# Altium PCB Nixie_MCU.PcbDoc (part 1 of 2)
Units mm, origin at the board's own origin, x right, y up, seen from the top; angles counter-clockwise.
Board outline 188 x 42 mm, 4 copper layers (Signal Layer 1, Layer 1, Layer 2, Bottom Layer), stack 1.466 mm thick; 180 components, 100 nets, 460 pads, 258 vias.
Unrouted connection lines stored in the file: 2.
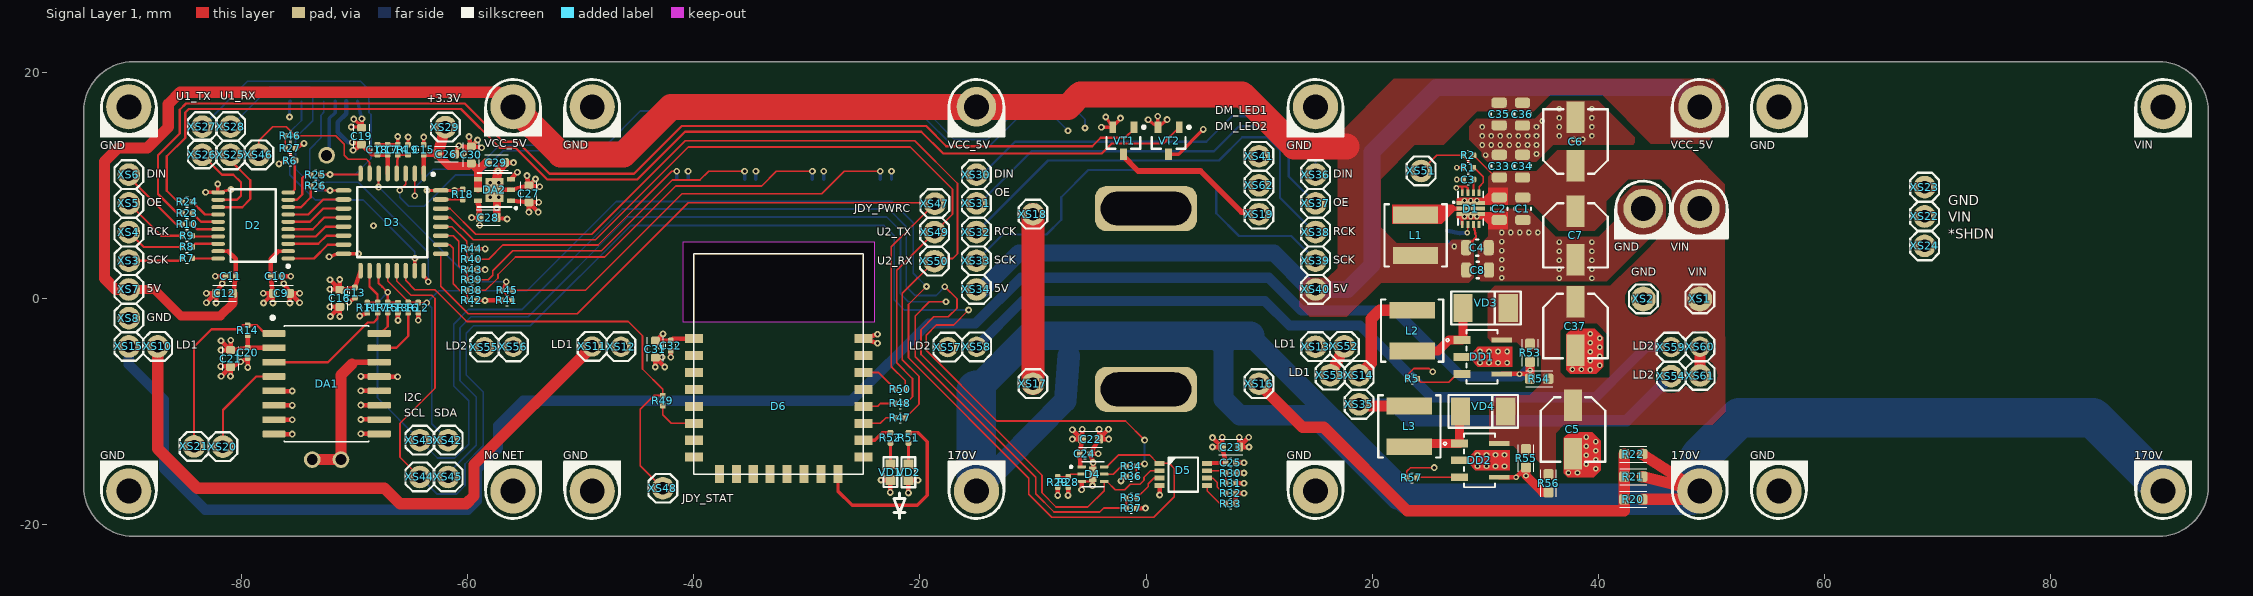
[diagram p0: Signal Layer 1 view]
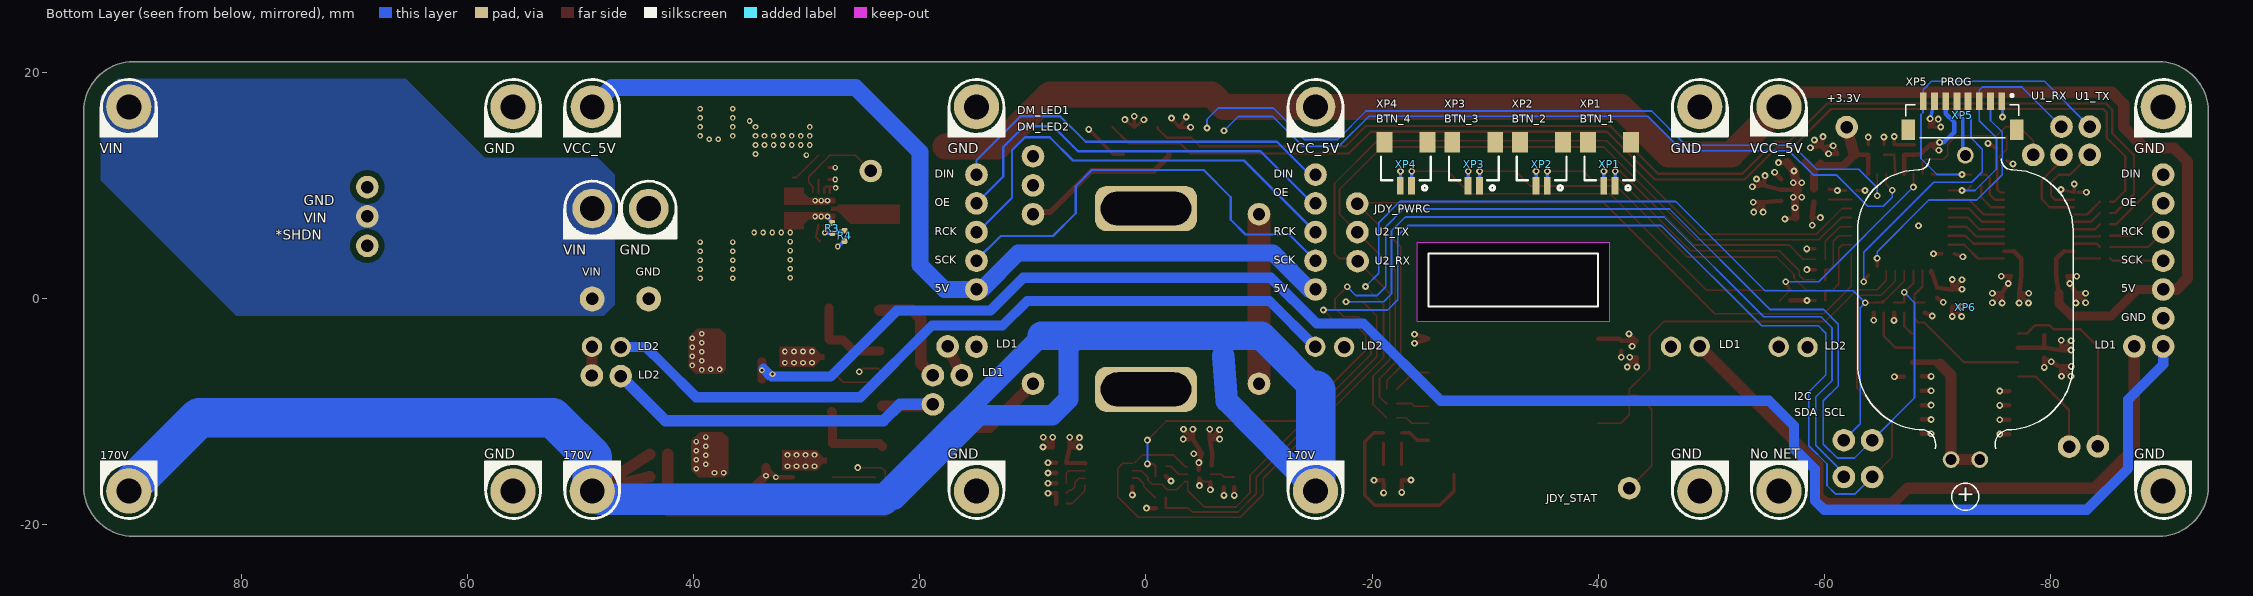
[diagram p1: Bottom Layer view, seen from below]
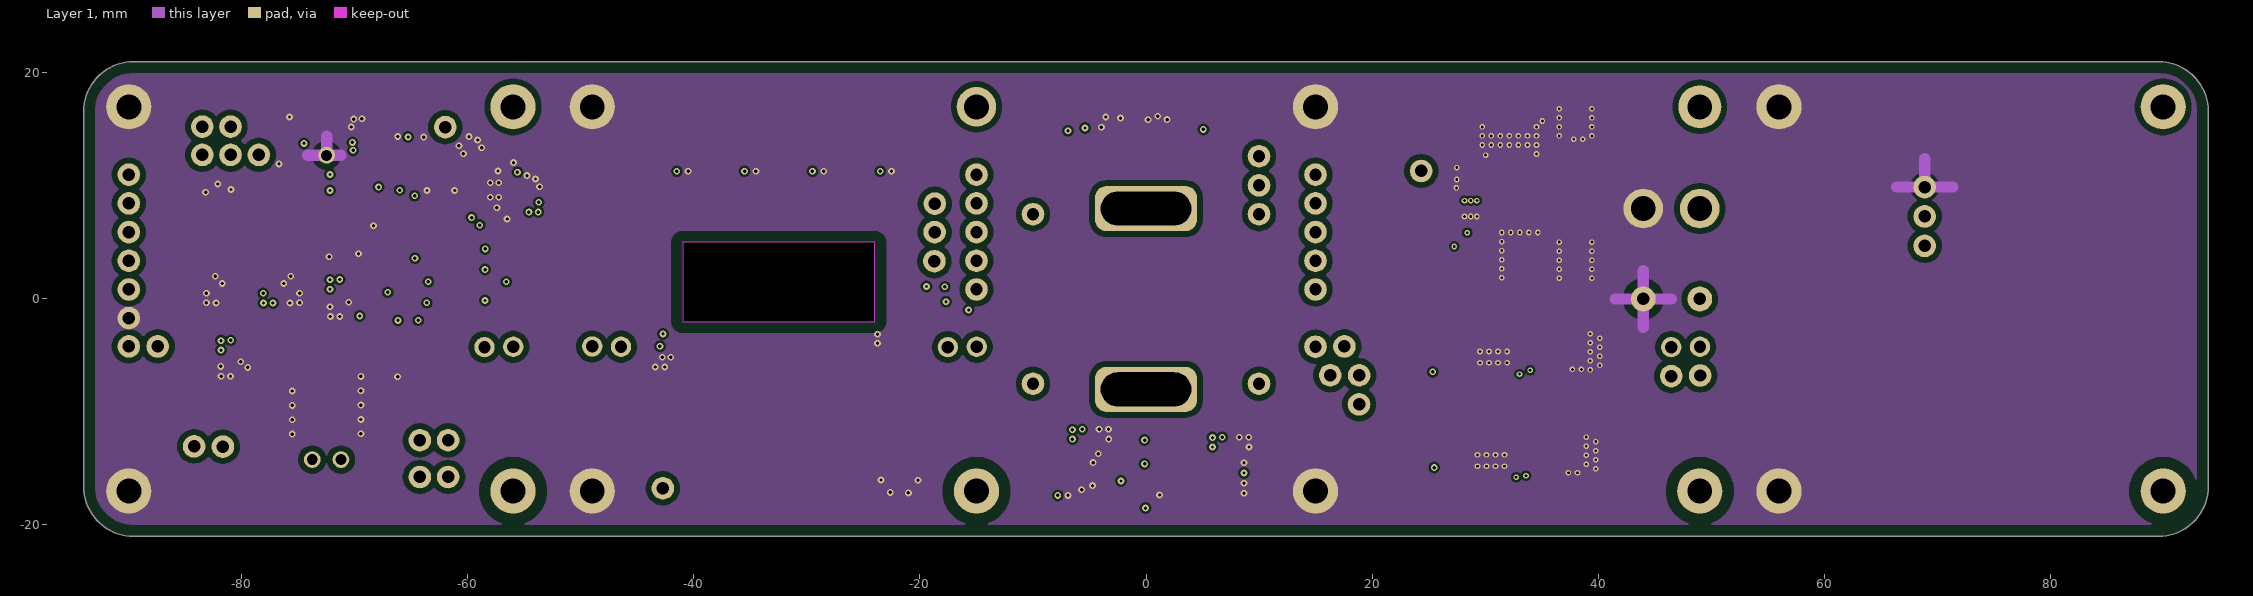
[diagram p2: Layer 1]
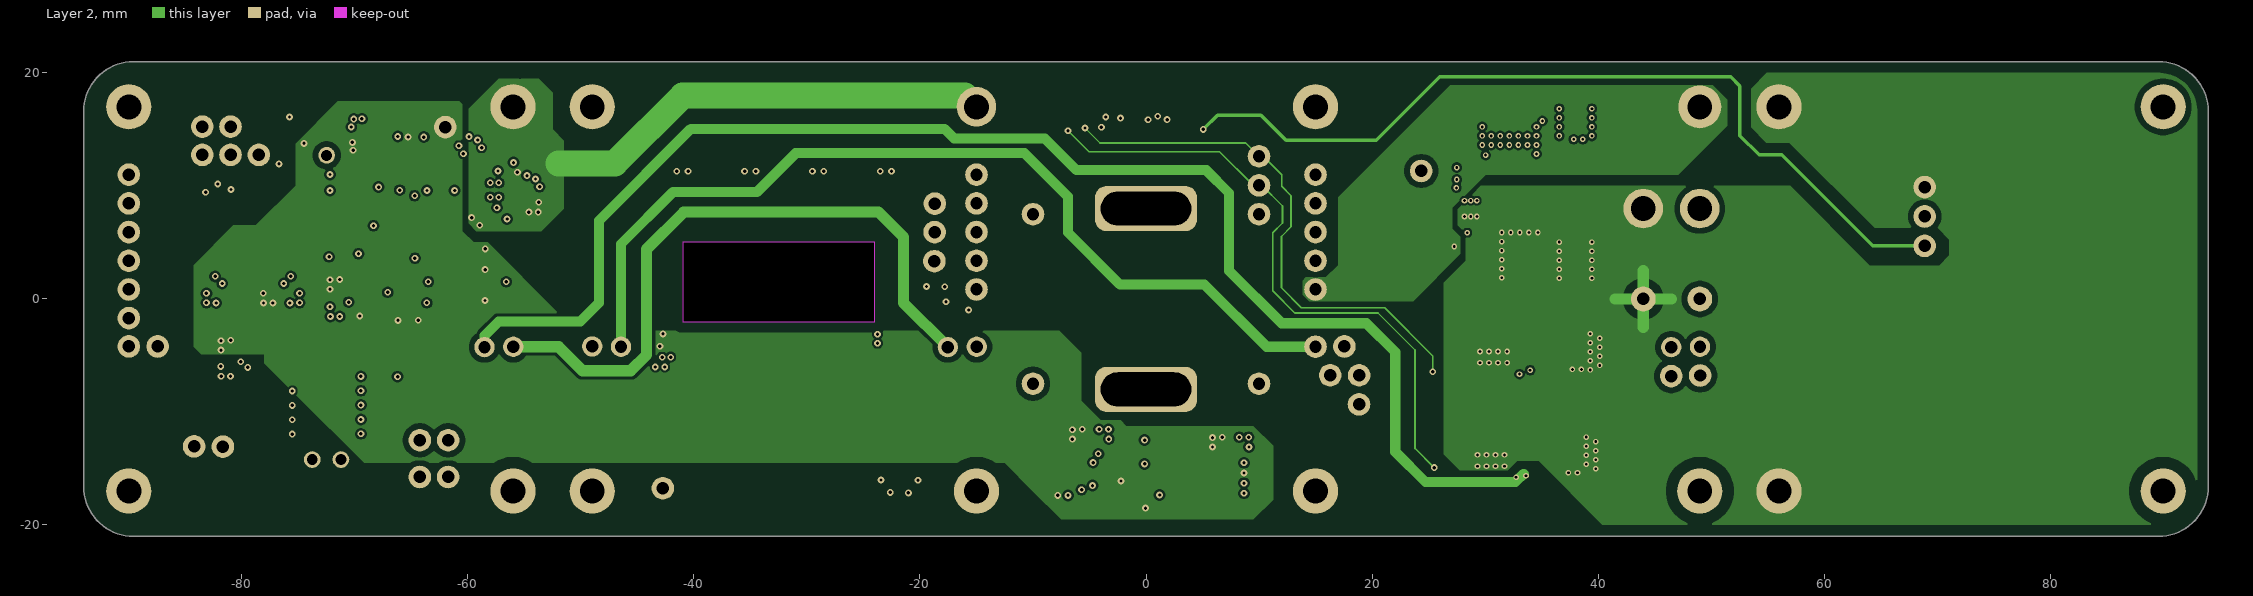
[diagram p3: Layer 2]
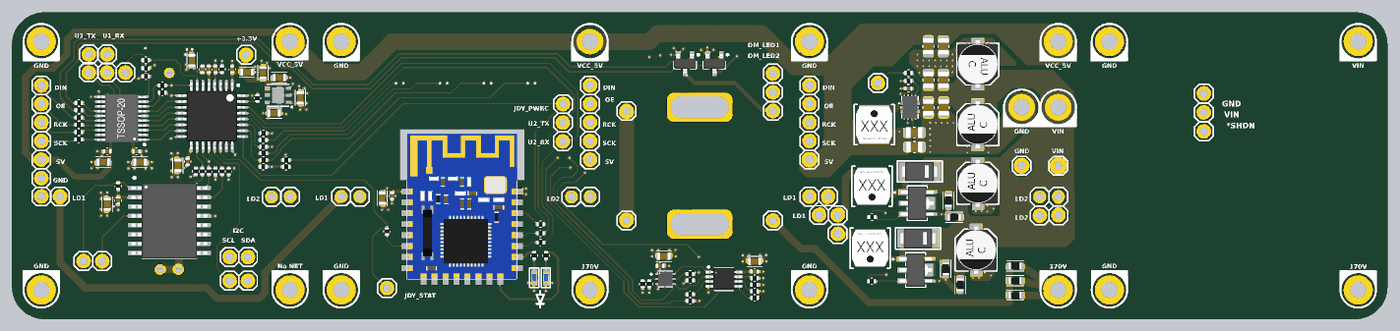
[diagram p5: 3D render of the assembled board from above, using the file's embedded part models]
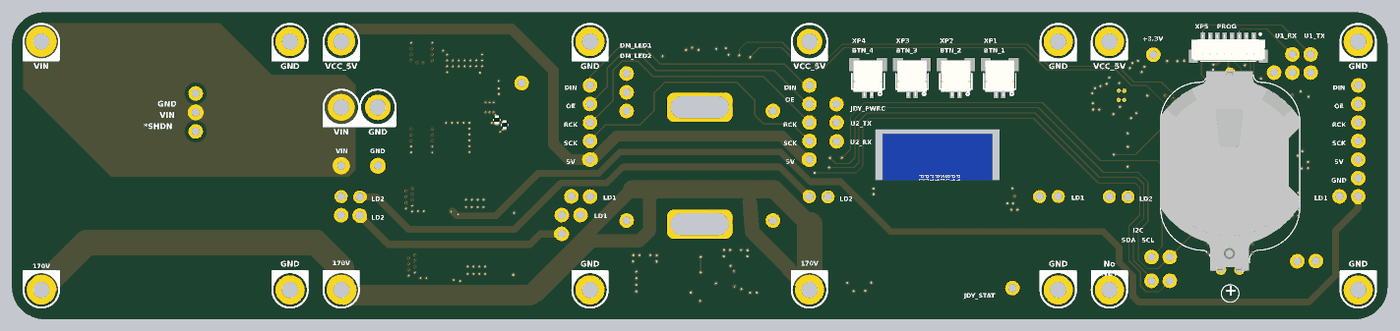
[diagram p6: 3D render of the assembled board from below, using the file's embedded part models]

## Layer stack, top to bottom
Top Solder: solder mask 0.01, Solder Resist, Dk 3.5
Signal Layer 1: signal copper 0.018
Dielectric 2: prepreg 0.115, FR4 2116, Dk 4.2
Layer 1: signal copper 0.018
Dielectric 1: core 1.164, FR4 Tg150, Dk 4.1
Layer 2: signal copper 0.018
Dielectric 3: prepreg 0.115, FR4 2116, Dk 4.1
Bottom Layer: signal copper 0.018
Bottom Solder: solder mask 0.01, Solder Resist, Dk 3.5

## Board outline
-94,-16.586 ccw(c-89.586,-16.586) -89.586,-21 89.586,-21 ccw(c89.586,-16.586) 94,-16.586 94,16.586 ccw(c89.586,16.586) 89.586,21 -89.586,21 ccw(c-89.586,16.586) -94,16.586
cut-out: -41,-2 -24,-2 -24,5 -41,5

## Design rules (kind name [scope] priority, off if disabled: settings)
BoardOutlineClearance [All] p1: gap=1 ignorepadtopadclearanceinfootprint=FALSE
Clearance [All] p1: gap=0.3 ignorepadtopadclearanceinfootprint=FALSE except(0.15: SMDPad-SMDPad SMDPad-THPad SMDPad-Via SMDPad-Fill SMDPad-Poly SMDPad-Region SMDPad-Text SMDPad-Hole; 0.2: Arc-SMDPad Track-SMDPad Via-Via Via-Fill Via-Poly Via-Region Via-Text Via-Hole Fill-Fill Fill-Poly Fill-Region Poly-Poly Poly-Region Region-Region; 0.25: Fill-Text Fill-Hole Poly-Text Poly-Hole Region-Text Region-Hole Text-Text Text-Hole; 0.5: THPad-THPad THPad-Via THPad-Fill THPad-Poly THPad-Region THPad-Text THPad-Hole)
ComponentClearance [All] p1: gap=0 collisioncheckmode=3 verticalgap=0 showdistances=FALSE
DiffPairsRouting [All] p1: maxlimit=0.254 minlimit=0.254 mostfreqgap=0.254 substack1={13A373E5-A3F0-4F58-9A2E-6A10E35ADB22} toplayer_{13a373e5-a3f0-4f58-9a2e-6a10e35adb22}_minwidth=0.381 toplayer_{13a373e5-a3f0-4f58-9a2e-6a10e35adb22}_maxwidth=0.381 toplayer_{13a373e5-a3f0-4f58-9a2e-6a10e35adb22}_prefwidth=0.381 midlayer1_{13a373e5-a3f0-4f58-9a2e-6a10e35adb22}_minwidth=0.381 midlayer1_{13a373e5-a3f0-4f58-9a2e-6a10e35adb22}_maxwidth=0.381 midlayer1_{13a373e5-a3f0-4f58-9a2e-6a10e35adb22}_prefwidth=0.381 midlayer2_{13a373e5-a3f0-4f58-9a2e-6a10e35adb22}_minwidth=0.381 midlayer2_{13a373e5-a3f0-4f58-9a2e-6a10e35adb22}_maxwidth=0.381 midlayer2_{13a373e5-a3f0-4f58-9a2e-6a10e35adb22}_prefwidth=0.381 bottomlayer_{13a373e5-a3f0-4f58-9a2e-6a10e35adb22}_minwidth=0.381 bottomlayer_{13a373e5-a3f0-4f58-9a2e-6a10e35adb22}_maxwidth=0.381 bottomlayer_{13a373e5-a3f0-4f58-9a2e-6a10e35adb22}_prefwidth=0.381 toplayer_minwidth=0.381 toplayer_maxwidth=0.381 toplayer_prefwidth=0.381 midlayer1_minwidth=0.381 midlayer1_maxwidth=0.381 midlayer1_prefwidth=0.381 midlayer2_minwidth=0.381 midlayer2_maxwidth=0.381 midlayer2_prefwidth=0.381 bottomlayer_minwidth=0.381 bottomlayer_maxwidth=0.381 bottomlayer_prefwidth=0.381 substack2={8E264451-6B6F-4AEF-BE25-3FA629468181} toplayer_{8e264451-6b6f-4aef-be25-3fa629468181}_minwidth=0.381 toplayer_{8e264451-6b6f-4aef-be25-3fa629468181}_maxwidth=0.381 toplayer_{8e264451-6b6f-4aef-be25-3fa629468181}_prefwidth=0.381 midlayer1_{8e264451-6b6f-4aef-be25-3fa629468181}_minwidth=0.381 midlayer1_{8e264451-6b6f-4aef-be25-3fa629468181}_maxwidth=0.381 midlayer1_{8e264451-6b6f-4aef-be25-3fa629468181}_prefwidth=0.381 midlayer2_{8e264451-6b6f-4aef-be25-3fa629468181}_minwidth=0.381 midlayer2_{8e264451-6b6f-4aef-be25-3fa629468181}_maxwidth=0.381 midlayer2_{8e264451-6b6f-4aef-be25-3fa629468181}_prefwidth=0.381 bottomlayer_{8e264451-6b6f-4aef-be25-3fa629468181}_minwidth=0.381 bottomlayer_{8e264451-6b6f-4aef-be25-3fa629468181}_maxwidth=0.381 bottomlayer_{8e264451-6b6f-4aef-be25-3fa629468181}_prefwidth=0.381 substack3={4B01B843-C838-4E2A-A504-E6D8B842CAE6} toplayer_{4b01b843-c838-4e2a-a504-e6d8b842cae6}_minwidth=0.381 toplayer_{4b01b843-c838-4e2a-a504-e6d8b842cae6}_maxwidth=0.381 toplayer_{4b01b843-c838-4e2a-a504-e6d8b842cae6}_prefwidth=0.381 midlayer1_{4b01b843-c838-4e2a-a504-e6d8b842cae6}_minwidth=0.381 midlayer1_{4b01b843-c838-4e2a-a504-e6d8b842cae6}_maxwidth=0.381 midlayer1_{4b01b843-c838-4e2a-a504-e6d8b842cae6}_prefwidth=0.381 midlayer2_{4b01b843-c838-4e2a-a504-e6d8b842cae6}_minwidth=0.381 midlayer2_{4b01b843-c838-4e2a-a504-e6d8b842cae6}_maxwidth=0.381 midlayer2_{4b01b843-c838-4e2a-a504-e6d8b842cae6}_prefwidth=0.381 bottomlayer_{4b01b843-c838-4e2a-a504-e6d8b842cae6}_minwidth=0.381 bottomlayer_{4b01b843-c838-4e2a-a504-e6d8b842cae6}_maxwidth=0.381 bottomlayer_{4b01b843-c838-4e2a-a504-e6d8b842cae6}_prefwidth=0.381 substack4={99483382-A1EF-4ECF-B319-A0B368B90AE1} toplayer_{99483382-a1ef-4ecf-b319-a0b368b90ae1}_minwidth=0.381 toplayer_{99483382-a1ef-4ecf-b319-a0b368b90ae1}_maxwidth=0.381 toplayer_{99483382-a1ef-4ecf-b319-a0b368b90ae1}_prefwidth=0.381 midlayer1_{99483382-a1ef-4ecf-b319-a0b368b90ae1}_minwidth=0.381 midlayer1_{99483382-a1ef-4ecf-b319-a0b368b90ae1}_maxwidth=0.381 midlayer1_{99483382-a1ef-4ecf-b319-a0b368b90ae1}_prefwidth=0.381 midlayer2_{99483382-a1ef-4ecf-b319-a0b368b90ae1}_minwidth=0.381 midlayer2_{99483382-a1ef-4ecf-b319-a0b368b90ae1}_maxwidth=0.381 midlayer2_{99483382-a1ef-4ecf-b319-a0b368b90ae1}_prefwidth=0.381 bottomlayer_{99483382-a1ef-4ecf-b319-a0b368b90ae1}_minwidth=0.381 bottomlayer_{99483382-a1ef-4ecf-b319-a0b368b90ae1}_maxwidth=0.381 bottomlayer_{99483382-a1ef-4ecf-b319-a0b368b90ae1}_prefwidth=0.381 substack5={F395EEA6-3FEA-43CE-B6E0-8CB6C0DE68A3} toplayer_{f395eea6-3fea-43ce-b6e0-8cb6c0de68a3}_minwidth=0.381 toplayer_{f395eea6-3fea-43ce-b6e0-8cb6c0de68a3}_maxwidth=0.381 toplayer_{f395eea6-3fea-43ce-b6e0-8cb6c0de68a3}_prefwidth=0.381 midlayer1_{f395eea6-3fea-43ce-b6e0-8cb6c0de68a3}_minwidth=0.381 midlayer1_{f395eea6-3fea-43ce-b6e0-8cb6c0de68a3}_maxwidth=0.381 midlayer1_{f395eea6-3fea-43ce-b6e0-8cb6c0de68a3}_prefwidth=0.381 midlayer2_{f395eea6-3fea-43ce-b6e0-8cb6c0de68a3}_minwidth=0.381 midlayer2_{f395eea6-3fea-43ce-b6e0-8cb6c0de68a3}_maxwidth=0.381 midlayer2_{f395eea6-3fea-43ce-b6e0-8cb6c0de68a3}_prefwidth=0.381 bottomlayer_{f395eea6-3fea-43ce-b6e0-8cb6c0de68a3}_minwidth=0.381 bottomlayer_{f395eea6-3fea-43ce-b6e0-8cb6c0de68a3}_maxwidth=0.381 bottomlayer_{f395eea6-3fea-43ce-b6e0-8cb6c0de68a3}_prefwidth=0.381 maxuncoupledlength=12.7
Height [All] p1: minheight=0 maxheight=1000 prefheight=0
MinimumSolderMaskSliver [All] p1: minsoldermaskwidth=0.2
PlaneClearance [All] p1: clearance=0.5
PlaneConnect [All] p1: planeconnectstyle=Relief reliefexpansion=0.5 reliefentries=4 reliefconductorwidth=0.25 reliefairgap=0.25
PolygonConnect PolygonConnect_VIA [IsVia] p1: connectstyle=Direct reliefconductorwidth=0.3 reliefentries=4 polygonreliefangle="45 Angle" airgapwidth=0.25
PolygonConnect [All] p2: connectstyle=Direct reliefconductorwidth=0.3 reliefentries=4 polygonreliefangle="90 Angle" airgapwidth=0.25
RoutingCorners [All] p1: cornerstyle=45-Degree minsetback=2.5 maxsetback=2.5
RoutingVias [All] p1: holewidth=0.3 width=0.6 viastyle="Through Hole" minholewidth=0.2 minwidth=0.5 maxholewidth=0.7 maxwidth=1.2
SilkToSilkClearance [All] p1: silktosilkclearance=0.2
SilkToSolderMaskClearance [IsPad] p1: minsilkscreentomaskgap=0.2 clearancetoexposedcopper=TRUE
SolderMaskExpansion [All] p1: expansion=0.075 istentingtop=FALSE
Width [All] p1: maxlimit=10 minlimit=0.125 preferedwidth=0.25 substack1={13A373E5-A3F0-4F58-9A2E-6A10E35ADB22} toplayer_{13a373e5-a3f0-4f58-9a2e-6a10e35adb22}_minwidth=0.15 toplayer_{13a373e5-a3f0-4f58-9a2e-6a10e35adb22}_maxwidth=2.5 midlayer1_{13a373e5-a3f0-4f58-9a2e-6a10e35adb22}_minwidth=0.15 midlayer1_{13a373e5-a3f0-4f58-9a2e-6a10e35adb22}_maxwidth=2.5 midlayer2_{13a373e5-a3f0-4f58-9a2e-6a10e35adb22}_minwidth=0.15 midlayer2_{13a373e5-a3f0-4f58-9a2e-6a10e35adb22}_maxwidth=2.5 bottomlayer_{13a373e5-a3f0-4f58-9a2e-6a10e35adb22}_minwidth=0.15 bottomlayer_{13a373e5-a3f0-4f58-9a2e-6a10e35adb22}_maxwidth=2.5 substack2={8E264451-6B6F-4AEF-BE25-3FA629468181} toplayer_{8e264451-6b6f-4aef-be25-3fa629468181}_minwidth=0.15 toplayer_{8e264451-6b6f-4aef-be25-3fa629468181}_maxwidth=2.5 midlayer1_{8e264451-6b6f-4aef-be25-3fa629468181}_minwidth=0.15 midlayer1_{8e264451-6b6f-4aef-be25-3fa629468181}_maxwidth=2.5 midlayer2_{8e264451-6b6f-4aef-be25-3fa629468181}_minwidth=0.15 midlayer2_{8e264451-6b6f-4aef-be25-3fa629468181}_maxwidth=2.5 bottomlayer_{8e264451-6b6f-4aef-be25-3fa629468181}_minwidth=0.15 bottomlayer_{8e264451-6b6f-4aef-be25-3fa629468181}_maxwidth=2.5 substack3={4B01B843-C838-4E2A-A504-E6D8B842CAE6} toplayer_{4b01b843-c838-4e2a-a504-e6d8b842cae6}_minwidth=0.15 toplayer_{4b01b843-c838-4e2a-a504-e6d8b842cae6}_maxwidth=2.5 midlayer1_{4b01b843-c838-4e2a-a504-e6d8b842cae6}_minwidth=0.15 midlayer1_{4b01b843-c838-4e2a-a504-e6d8b842cae6}_maxwidth=2.5 midlayer2_{4b01b843-c838-4e2a-a504-e6d8b842cae6}_minwidth=0.15 midlayer2_{4b01b843-c838-4e2a-a504-e6d8b842cae6}_maxwidth=2.5 bottomlayer_{4b01b843-c838-4e2a-a504-e6d8b842cae6}_minwidth=0.15 bottomlayer_{4b01b843-c838-4e2a-a504-e6d8b842cae6}_maxwidth=2.5 substack4={99483382-A1EF-4ECF-B319-A0B368B90AE1} toplayer_{99483382-a1ef-4ecf-b319-a0b368b90ae1}_minwidth=0.15 toplayer_{99483382-a1ef-4ecf-b319-a0b368b90ae1}_maxwidth=2.5 midlayer1_{99483382-a1ef-4ecf-b319-a0b368b90ae1}_minwidth=0.15 midlayer1_{99483382-a1ef-4ecf-b319-a0b368b90ae1}_maxwidth=2.5 midlayer2_{99483382-a1ef-4ecf-b319-a0b368b90ae1}_minwidth=0.15 midlayer2_{99483382-a1ef-4ecf-b319-a0b368b90ae1}_maxwidth=2.5 bottomlayer_{99483382-a1ef-4ecf-b319-a0b368b90ae1}_minwidth=0.15 bottomlayer_{99483382-a1ef-4ecf-b319-a0b368b90ae1}_maxwidth=2.5 substack5={F395EEA6-3FEA-43CE-B6E0-8CB6C0DE68A3} toplayer_{f395eea6-3fea-43ce-b6e0-8cb6c0de68a3}_minwidth=0.15 toplayer_{f395eea6-3fea-43ce-b6e0-8cb6c0de68a3}_maxwidth=2.5 midlayer1_{f395eea6-3fea-43ce-b6e0-8cb6c0de68a3}_minwidth=0.15 midlayer1_{f395eea6-3fea-43ce-b6e0-8cb6c0de68a3}_maxwidth=2.5 midlayer2_{f395eea6-3fea-43ce-b6e0-8cb6c0de68a3}_minwidth=0.15 midlayer2_{f395eea6-3fea-43ce-b6e0-8cb6c0de68a3}_maxwidth=2.5 bottomlayer_{f395eea6-3fea-43ce-b6e0-8cb6c0de68a3}_minwidth=0.15 bottomlayer_{f395eea6-3fea-43ce-b6e0-8cb6c0de68a3}_maxwidth=2.5
21 further rules are at their usual default settings.

## Classes and differential pairs
component class Nixie_MCU: C9 C10 C11 C12 C14 C20 C21 C22 C23 C24 C25 C31 C32 D2 D3 D4 D5 D6 DA1 R6 R7 R8 R9 R10 R11 R12 R13 R14 R15 R16 R17 R18 R19 R25 R26 R27 R28 R29 R30 R31 R32 R33 R34 R35 R36 R37 R38 R39 R40 R41 R42 R43 R44 R45 R46 R47 R48 R49 R50 R51 R52 VD1 VD2 XP1 XP2 XP3 XP4 XP5 XP6 XS3 XS4 XS5 XS6 XS20 XS21 XS25 XS26 XS27 XS28 XS30 XS31 XS32 XS33 XS34 XS36 XS37 XS38 XS39 XS40 XS42 XS43 XS44 XS45 XS46 XS47 XS48 XS49 XS50
component class Nixie_MCU_PWR: C1 C2 C3 C4 C5 C6 C7 C8 C13 C15 C16 C17 C18 C19 C26 C27 C28 C29 C30 C33 C34 C35 C36 C37 D1 DA2 DD1 DD2 L1 L2 L3 R1 R2 R3 R4 R5 R20 R21 R22 R23 R24 R53 R54 R55 R56 R57 VD3 VD4 VT1 VT2 XS1 XS2 XS7 XS8 XS10 XS11 XS12 XS13 XS14 XS15 XS16 XS17 XS18 XS19 XS22 XS23 XS24 XS29 XS35 XS41 XS51 XS52 XS53 XS54 XS55 XS56 XS57 XS58 XS59 XS60 XS61 XS62

## Components (designator, comment, footprint, x,y, rotation, side; value= is the part's Value field where it differs from the comment)
C1 "" "CAP: 0805R" 33.342,7.978 r90 top value="22 мкФ"
C2 "" "CAP: 0805R" 31.256,7.979 r90 top value="22 мкФ"
C3 "Ceramic capacitor, 2200 пФ, X7R, ± 10 %, , 0402, -55...+125°C" "CAP: 0402R" 28.523,10.568 r0 top value="2200 пФ"
C4 "" "CAP: 0805R" 29.32,4.538 r180 top value="22 мкФ"
C5 "Aluminium capacitor, 100 мкФ, , ±20%, , 5×5×5.3, -55...+105°C" "CAP: D5H5.8" 37.775,-11.55 r270 top value="100 мкФ"
C6 "Aluminium capacitor, 100 мкФ, , ±20%, , 5×5×5.3, -55...+105°C" "CAP: D5H5.8" 38.01,13.924 r90 top value="100 мкФ"
C7 "Aluminium capacitor, 100 мкФ, , ±20%, , 5×5×5.3, -55...+105°C" "CAP: D5H5.8" 38.01,5.625 r270 top value="100 мкФ"
C8 "" "CAP: 0805R" 29.338,2.558 r180 top value="22 мкФ"
C9 "Ceramic capacitor, 2,2 мкФ, X7R, ±10%, 16V, 0603, -55...+125°C" "CAP: 0603R" -76.5,0.5 r0 top value="2,2 мкФ"
C10 "Ceramic capacitor, 0,1 мкФ, X7R, ± 10 %, , 0402, -55...+125°C" "CAP: 0402R" -77,2 r180 top value="0,1 мкФ"
C11 "Ceramic capacitor, 0,1 мкФ, X7R, ± 10 %, , 0402, -55...+125°C" "CAP: 0402R" -81,2 r0 top value="0,1 мкФ"
C12 "Ceramic capacitor, 2,2 мкФ, X7R, ±10%, 16V, 0603, -55...+125°C" "CAP: 0603R" -81.525,0.5 r180 top value="2,2 мкФ"
C13 "Ceramic capacitor, 0,1 мкФ, X7R, ± 10 %, , 0402, -55...+125°C" "CAP: 0402R" -69.994,0.559 r90 top value="0,1 мкФ"
C14 "Ceramic capacitor, 0,1 мкФ, X7R, ± 10 %, , 0402, -55...+125°C" "CAP: 0402R" -66.2,13.2 r270 top value="0,1 мкФ"
C15 "Ceramic capacitor, 0,1 мкФ, X7R, ± 10 %, , 0402, -55...+125°C" "CAP: 0402R" -63.907,13.198 r270 top value="0,1 мкФ"
C16 "Ceramic capacitor, 10 мкФ, X7R, ±10%, 16V, 0603, -55...+125°C" "CAP: 0603R" -71.334,0.055 r270 top value="10 мкФ"
C17 "Ceramic capacitor, 10 нФ, X7R, ± 10 %, , 0402, -55...+125°C" "CAP: 0402R" -67.1,13.2 r270 top value="10 нФ"
C18 "Ceramic capacitor, 0,1 мкФ, X7R, ± 10 %, , 0402, -55...+125°C" "CAP: 0402R" -68,13.2 r270 top value="0,1 мкФ"
C19 "Ceramic capacitor, 10 мкФ, X7R, ±10%, 16V, 0603, -55...+125°C" "CAP: 0603R" -69.4,14.4 r90 top value="10 мкФ"
C20 "Ceramic capacitor, 0,1 мкФ, X7R, ± 10 %, , 0402, -55...+125°C" "CAP: 0402R" -79.485,-4.772 r90 top value="0,1 мкФ"
C21 "Ceramic capacitor, 2,2 мкФ, X7R, ±10%, 16V, 0603, -55...+125°C" "CAP: 0603R" -80.985,-5.272 r270 top value="2,2 мкФ"
C22 "Ceramic capacitor, 2,2 мкФ, X7R, ±10%, 16V, 0603, -55...+125°C" "CAP: 0603R" -4.9,-12.4 r0 top value="2,2 мкФ"
C23 "Ceramic capacitor, 2,2 мкФ, X7R, ±10%, 16V, 0603, -55...+125°C" "CAP: 0603R" 7.5,-13.1 r0 top value="2,2 мкФ"
C24 "Ceramic capacitor, 0,1 мкФ, X7R, ± 10 %, , 0402, -55...+125°C" "CAP: 0402R" -5.4,-13.7 r180 top value="0,1 мкФ"
C25 "Ceramic capacitor, 0,1 мкФ, X7R, ± 10 %, , 0402, -55...+125°C" "CAP: 0402R" 7.5,-14.5 r180 top value="0,1 мкФ"
C26 "Ceramic capacitor, 10 мкФ, X7R, ±10%, 16V, 0603, -55...+125°C" "CAP: 0603R" -61.899,12.82 r0 top value="10 мкФ"
C27 "Ceramic capacitor, 10 мкФ, X7R, ±10%, 16V, 0603, -55...+125°C" "CAP: 0603R" -54.6,9.3 r90 top value="10 мкФ"
C28 "Ceramic capacitor, 10 мкФ, X7R, ±10%, 16V, 0603, -55...+125°C" "CAP: 0603R" -58.2,7.2 r0 top value="10 мкФ"
C29 "Ceramic capacitor, 10 мкФ, X7R, ±10%, 16V, 0603, -55...+125°C" "CAP: 0603R" -57.473,12.073 r0 top value="10 мкФ"